# Altium PCB SDR_wt_PCBlib.PcbDoc (part 2 of 2)
Units mm, origin at the board's own origin, x right, y up, seen from the top; angles counter-clockwise.
Board outline 71.43 x 99.74 mm, 4 copper layers (Top Layer, L2, L3, Bottom Layer), stack 0.896 mm thick; 102 components, 69 nets, 338 pads, 430 vias.
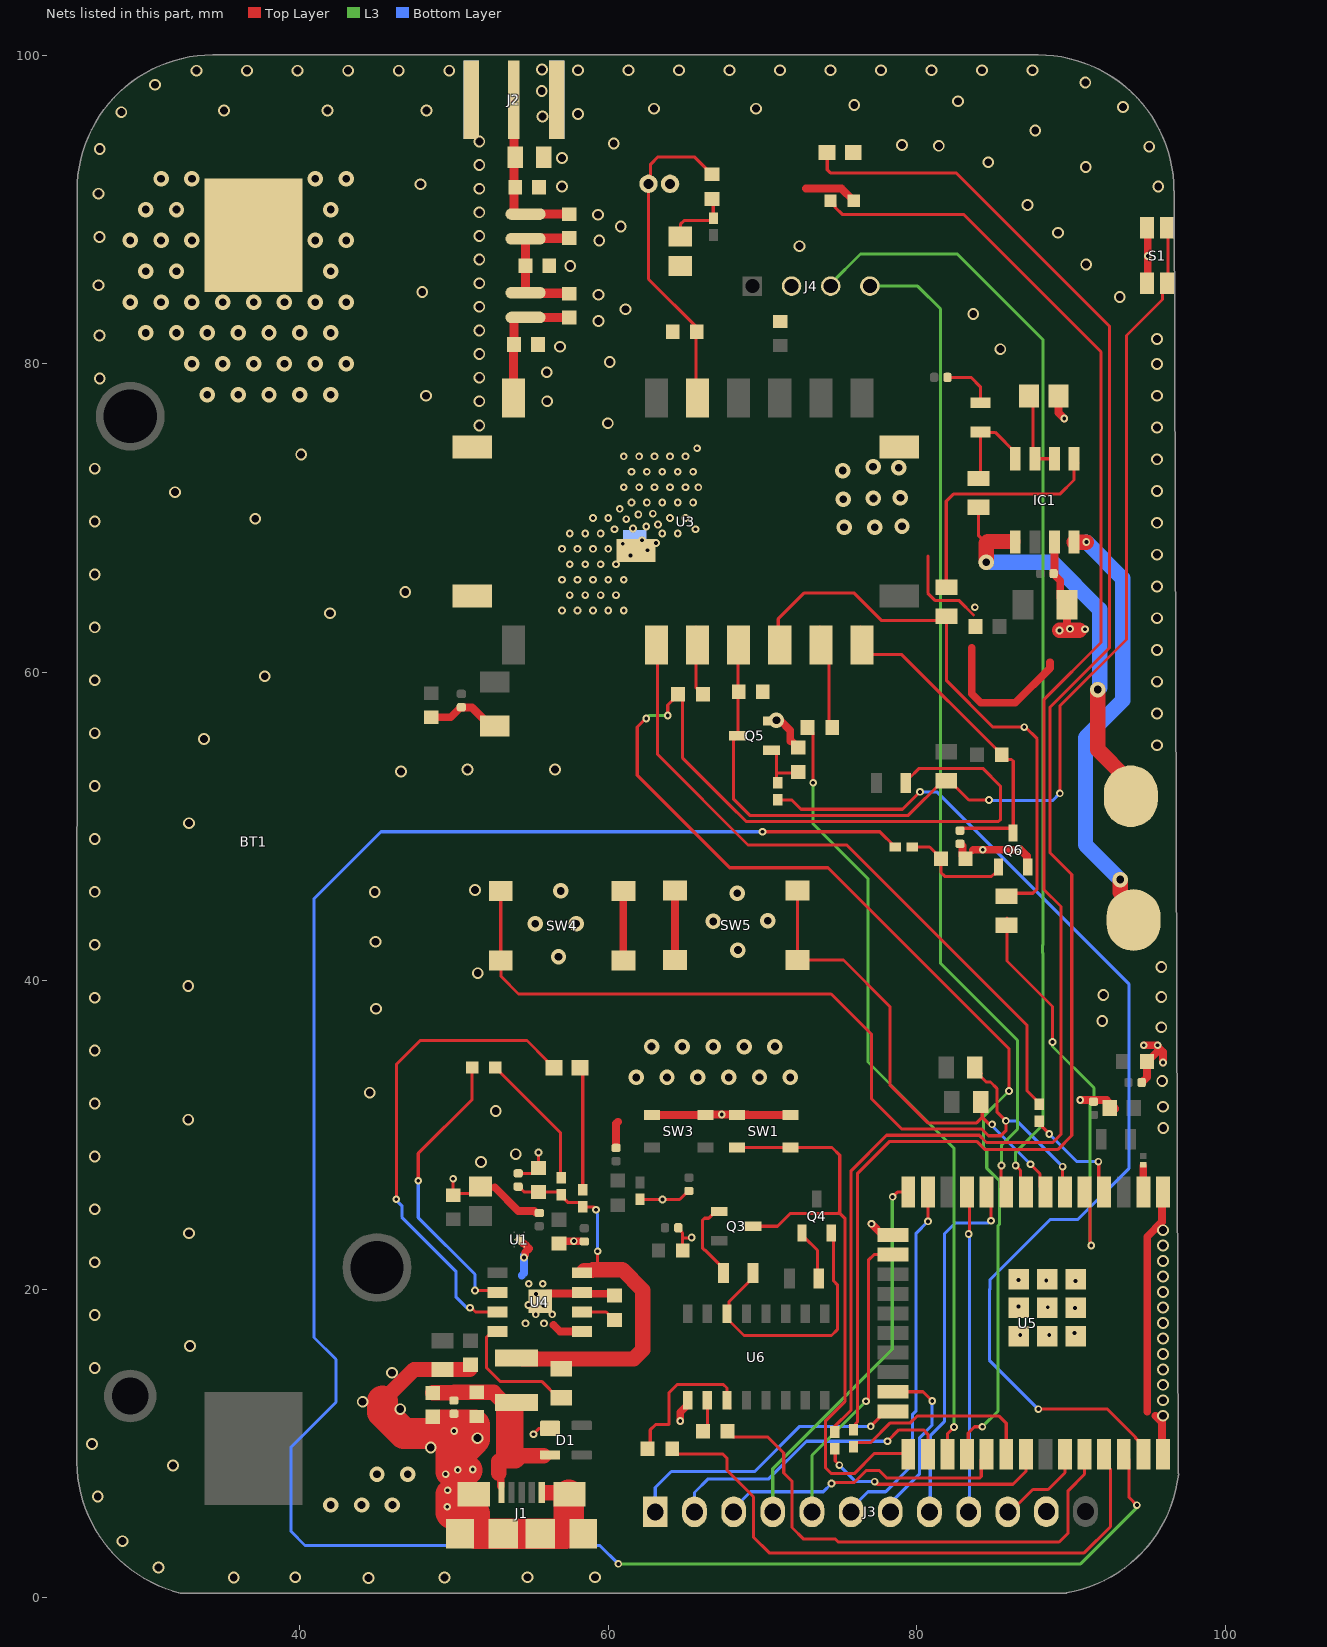
[diagram p4: the nets of this part, all layers, seen from the top]

## Via types
v1: diameter 0.762, hole 0.508, Top Layer to Bottom Layer, tented both sides, 175 vias
v2: diameter 0.5, hole 0.25, Top Layer to Bottom Layer, tented both sides, 171 vias
v3: diameter 1, hole 0.5, Top Layer to Bottom Layer, tented both sides, 84 vias

## Nets (pads, with @x,y where several pads share a name; then routed paths per layer and width w, separated by ;. In a path a pad name is that pad's centre, name@x,y a point inside that pad or via, vN(x,y) a via of type N, cw(c..) or ccw(c..) an arc to the next point about the centre after c; other vN are vias at no path point) (continued)
GND: BT1.NEG C1.2 C2.2 C3.1 C4.1 C6.2 C7.1 C8.1 C9.2 C10.2 C11.2 C12.2 C13.2 C14.2 C15.2 C16.2 C17.1 C18.1 C20.2 C21.2 C22.2 C23.2 C24.2 C25.2 C26.2 C27.1 C28.2 C29.1 C30.1 C32.1 C33.2 C34.1 C35.2 C36.2 C37.2 D1.1 D5.1 D6.1 IC1.7 J1.5 J1.SH1 J1.SH2 J1.SH3 J1.SH4 J1.SH5 J1.SH6 J2.S1 J2.S2 J2.S3 J2.S4 J3.11 J4.02 MIC1.2 Q5.2 Q6.2 R2.2 R15.1 R28.1 R30.1 R31.1 R34.1 S1.1 S1.2 SW1.P$3 SW1.P$4 SW3.P$3 SW3.P$4 SW4.1 SW4.3 SW5.1 SW5.3 U1.2 U1.5 U3.8 U3.9 U3.18 U3.19 U3.20 U4.1 U4.3 U4.9 U5.1 U5.15 U5.38 U5.39_1 U5.39_2 U5.39_3 U5.39_4 U5.39_5 U5.39_6 U5.39_7 U5.39_8 U5.39_9 U6.1 | length 157.1
  Top Layer w0.2: C1.2@48.616,11.722 48.725,11.831 C6.2@49.987,11.831 ; v2(49.94,27.154) 49.936,27.15 C13.2@49.936,26.078 50.056,26.198 C10.2@51.714,26.198 ; C6.2@49.987,11.914 C6.2@49.987,11.831 ; v2(50.002,10.794) 49.987,10.808 49.987,11.201 C6.2@49.987,11.831 ; C7.1@51.46,11.742 50.238,11.742 50.15,11.831 C6.2@49.987,11.831 ; C24.2@54.153,27.506 55.129,27.506 C25.2@55.474,27.851 v2(55.474,28.854) ; v2(55.143,10.592) 55.522,10.971 D1.1@56.227,10.971 ; R30.1@62.052,25.815 v2(63.518,25.815) 64.622,25.815 65.174,26.367 C30.1@65.227,26.367 ; C28.2@64.54,23.978 64.54,23.924 64.813,23.65 64.813,23.317 ; C27.1@64.813,22.504 64.813,23.317 ; v2(65.405,23.343) 65.38,23.317 64.813,23.317 ; 80.721,67.532 80.721,65.129 81.207,64.643 82.753,64.643 83.682,63.714
  Top Layer w0.5: C16.2@48.514,57.081 49.785,57.081 50.44,57.736 C15.2@50.47,57.736 50.49,57.716 51.159,57.716 52.359,56.516 C14.2@52.629,56.516 ; 52.629,26.594 54.157,25.066 55.202,25.066 55.306,24.961 55.504,24.961 C8.1@55.524,24.941 ; U1.5@54.229,23.216 54.469,22.976 54.519,22.976 54.656,22.838 ; v2@54.61,22.276 54.61,22.384 54.86,22.634 ; U4.9@55.583,19.205 56.091,19.712 58.226,19.712 U4.3@58.3,19.787 58.395,19.691 60.306,19.691 R15.1@60.401,19.596 ; 56.439,17.678 56.871,17.247 U4.1@58.3,17.247 ; C9.2@56.794,22.847 57.057,23.11 v2(57.764,23.11) 57.776,23.098 C17.1@58.169,23.098 ; C11.2@60.503,29.157 60.503,30.734 60.63,30.861 ; SW4.1@60.973,41.311 SW4.3@60.973,45.811 ; SW3.P$4@62.841,31.285 SW3.P$3@66.306,31.285 ; 64.3,43.561 64.325,43.586 ; SW5.3@64.325,41.336 64.325,43.586 ; SW5.1@64.325,45.836 64.325,43.586 ; v2(64.668,11.455) 64.668,12.013 65.151,12.496 U6.1@65.151,12.796 ; SW3.P$3@66.446,31.344 66.461,31.329 v2(67.351,31.329) 68.341,31.329 68.351,31.34 69.044,31.34 69.048,31.335 ; SW1.P$4@68.351,31.285 SW1.P$3@71.816,31.285 ; v3(70.899,56.881) 71.149,56.881 71.806,56.224 71.806,55.524 71.895,55.524 72.289,55.131 R28.1@72.314,55.131 ; 72.822,91.364 75.121,91.364 D6.1@75.909,90.576 ; v2(77.064,24.232) 77.79,23.505 U5.15@78.452,23.505 ; C35.2@82.804,48.871 82.834,48.871 82.972,48.733 82.972,48.104 R34.1@83.172,47.904 ; 83.566,61.595 83.566,58.598 84.15,58.014 86.385,58.014 88.646,60.274 88.646,60.655 ; 83.629,48.463 83.654,48.489 v2(84.277,48.489) 86.538,48.489 v2(86.589,48.539) 86.69,48.539 87.143,48.086 87.143,47.421 Q6.2@87.193,47.371 ; IC1.7@88.93,68.445 88.93,66.483 88.873,66.426 C3.1@88.873,66.396 88.873,66.366 89.302,65.937 89.302,64.824 C4.1@89.737,64.389 89.737,63.019 v2(89.941,62.814) ; C2.2@89.19,77.902 89.19,76.825 v2(89.56,76.454) ; 90.526,62.713 90.83,62.713 v2(90.907,62.789) ; v2(90.602,32.258) 92.316,32.258 92.86,31.714 C34.1@92.86,31.674 ; C20.2@94.588,33.371 C20.2@94.588,33.401 94.588,33.431 94.608,33.451 94.638,33.451 94.933,33.746 C21.2@94.933,34.747 95.622,35.436 v2@95.622,35.722 ; v2(94.717,35.814) 95.619,35.814 v2(95.622,35.811) v2@95.622,35.722 ; 94.945,12.057 94.945,23.393 95.902,24.35 U5.1@95.902,26.29 ; S1.2@94.981,85.195 v2(94.981,86.995) S1.1@94.981,88.795 ; 95.479,11.786 95.902,11.362 U5.38@95.902,9.29 ; v2(95.961,34.696) 95.961,35.382 v2@95.622,35.722 ; U5.1@95.962,26.29 U5.1@96.037,26.365
  Top Layer w1: 45.364,12.751 47.401,14.788 R31.1@49.251,14.788 C18.1@51.003,14.788 ; 56.018,6.801 J1.SH6@57.785,6.801 ; v2(89.256,62.713) 90.526,62.713
  Top Layer w2: 45.364,12.751 45.364,12.017 46.739,10.643 49.784,10.643 ; 49.784,6.69 49.784,5.512 49.835,5.461 ; 49.784,8.153 49.784,10.643 ; 50.571,8.255 50.851,8.255 ; 50.571,9.5 51.333,10.262 51.333,11.201 49.987,11.201 49.251,11.201 49.251,11.176 49.784,10.643 ; 51.331,5.461 51.331,4.269 51.46,4.14 J1.SH3@53.181,4.14 J1.SH4@55.581,4.14 57.201,4.14 57.431,4.371 J1.SH6@57.431,6.64
  Bottom Layer w0.5: 54.381,20.879 54.528,21.026 54.528,22.194 v2@54.61,22.276
  other v1: 44.45,1.27 35.712,1.295 49.378,1.295 39.7,1.321 54.762,1.321 59.131,1.321 30.836,1.956 28.499,3.658 26.899,6.553 31.775,8.56 48.489,9.728 26.518,9.957 51.511,10.338 95.961,11.786 46.507,12.217 44.069,12.7 95.961,12.789 95.961,13.792 45.974,14.58 95.961,14.795 26.695,14.884 95.961,15.799 32.868,16.307 95.961,16.802 95.961,17.805 26.695,18.315 95.961,18.809 95.961,19.812 95.961,20.815 26.695,21.745 95.961,21.819 95.961,22.822 32.817,23.622 95.961,23.825 26.695,25.176 51.74,28.245 26.695,28.606 54,28.753 95.987,30.455 32.766,30.988 52.705,31.547 95.961,31.826 26.695,32.037 44.526,32.741 95.91,33.503 26.695,35.467 95.86,36.982 92.024,37.389 44.933,38.176 26.695,38.898 95.86,38.938 92.1,39.065 32.766,39.649 51.537,40.488 95.86,40.894 26.695,42.328 44.907,42.52 44.856,45.745 26.695,45.759 51.359,45.872 26.695,49.189 32.817,50.216 26.695,52.62 46.558,53.569 50.876,53.696 56.54,53.696 95.58,55.27 33.782,55.677 26.695,56.05 95.58,57.33 95.58,59.389 26.695,59.481 37.719,59.741 95.58,61.448 26.695,62.911 95.58,63.508 41.961,63.83 46.838,65.202 95.58,65.567 26.695,66.342 95.58,67.627 95.58,69.686 26.695,69.772 37.109,69.952 31.902,71.679 95.58,71.745 26.695,73.203 95.58,73.805 40.081,74.117 95.58,75.864 51.638,75.997 59.969,76.149 51.638,77.572 56.032,77.572 48.184,77.927 95.58,77.923 27.026,79.045 51.638,79.103 56.007,79.451 95.58,79.983 60.096,80.112 51.638,80.634 85.42,80.95 56.871,81.102 95.58,81.61 27,81.839 51.638,82.165 59.36,82.779 83.668,83.236 61.112,83.541 51.638,83.697 93.167,84.328 59.36,84.48 47.93,84.658 26.949,85.09 51.638,85.228 57.531,86.335 90.983,86.436 51.638,86.759 72.39,87.63 59.411,88 27,88.214 51.638,88.29 89.154,88.494 60.808,88.9 59.334,89.662 51.638,89.822 87.173,90.297 26.949,91.034 51.638,91.353 56.998,91.491 95.656,91.491 47.828,91.643 90.957,92.761 51.638,92.884 84.633,93.066 57,93.345 27.026,93.929 95.072,94.082 81.432,94.132 79.045,94.183 60.35,94.285 51.638,94.415 87.681,95.123 55.728,96.037 58.039,96.19 28.423,96.317 35.077,96.418 41.783,96.418 48.209,96.418 62.967,96.545 69.571,96.545 93.37,96.647 75.946,96.774 82.677,97.028 55.683,97.688 30.607,98.095 90.932,98.247 33.299,99.009 36.576,99.009 39.853,99.009 43.129,99.009 46.406,99.009 49.682,99.009 58.039,99.035 61.313,99.035 64.587,99.035 67.86,99.035 71.134,99.035 74.408,99.035 77.682,99.035 80.955,99.035 84.229,99.035 87.503,99.035 55.702,99.085
  other v2: 49.555,5.893 49.581,6.96 49.454,8.001 50.241,8.28 51.206,8.306 86.712,17.028 88.595,17.018 90.239,17.15 54.635,17.78 55.829,17.78 55.296,18.364 56.363,18.364 90.272,18.771 88.494,18.821 86.589,18.872 55.804,18.948 54.813,18.974 55.321,19.685 54.839,20.345 55.753,20.345 90.297,20.523 88.392,20.549 86.589,20.599 54.534,22.047 57,64 58,64 59,64 60,64 61,64 83.769,64.211 57.5,65 58.5,65 59.5,65 60.5,65 57,66 58,66 59,66 60,66 61,66 57.5,67 58.5,67 59.5,67 60.5,67 61.442,67.568 62.537,67.908 57,68 58,68 59,68 60,68 60.934,68.33 63.093,68.38 62.178,68.558 57.5,69 58.5,69 59.5,69 63.5,69 64.5,69 60.4,69.269 65.658,69.269 61.594,69.32 62.458,69.447 63.22,69.574 61.162,69.93 59,70 60,70 64,70 65,70 61.95,70.235 62.89,70.285 60.741,70.593 61.5,71 62.5,71 63.5,71 64.5,71 65.5,71 65.836,71.987 61,72 62,72 63,72 64,72 65,72 61.5,73 62.5,73 63.5,73 64.5,73 65.5,73 61,74 62,74 63,74 64,74 65,74 65.76,74.527
  other v3: 42,6 44,6 46,6 45,8 47,8 61.803,33.725 63.803,33.725 65.803,33.725 67.803,33.725 69.803,33.725 71.803,33.725 62.803,35.725 64.803,35.725 66.803,35.725 68.803,35.725 70.803,35.725 56.769,41.554 68.402,41.986 55.27,43.688 57.912,43.688 66.802,43.84 70.333,43.891 68.351,45.669 56.921,45.822 75.286,69.393 77.267,69.393 79.045,69.469 75.235,71.222 77.191,71.272 78.943,71.323 75.209,73.076 78.842,73.254 77.165,73.33 34,78 36,78 38,78 40,78 42,78 33,80 35,80 37,80 39,80 41,80 43,80 30,82 32,82 34,82 36,82 38,82 40,82 42,82 29,84 31,84 33,84 35,84 37,84 39,84 41,84 43,84 30,86 32,86 42,86 29,88 31,88 33,88 41,88 43,88 30,90 32,90 42,90 31,92 33,92 41,92 43,92
IO0: Q3.3 SW1.P$1 SW1.P$2 U5.25 | length 39.9
  Top Layer w0.2: SW1.P$2@68.351,29.185 SW1.P$1@71.816,29.185 74.5,29.185 75.006,28.679 75.006,25.022 ; Q3.3@69.393,24.079 70.968,24.079 71.78,24.892 74.876,24.892 75.006,25.022 ; U5.25@79.452,9.29 79.395,9.347 77.26,9.347 75.948,8.035 74.474,8.035 74.076,8.433 74.076,11.44 75.336,12.7 75.336,13.538 75.336,24.597 75.006,24.928 75.006,25.022
IO25: J3.8 U5.10 | length 24.1
  Top Layer w0.2: U5.10@84.532,26.29 84.811,26.011 v2(84.811,24.435)
  Bottom Layer w0.2: J3.8@80.874,5.232 80.874,10.493 81.788,11.407 81.788,23.571 82.499,24.282 84.658,24.282 v2(84.811,24.435)
IO26: J3.9 U5.11 | length 21.2
  Top Layer w0.2: U5.11@83.262,26.29 83.414,26.138 83.414,23.622 v2(83.363,23.571)
  Bottom Layer w0.2: v2(83.363,23.571) 83.414,23.52 J3.9@83.414,5.232
NetC2_1: C2.1 IC1.2 IC1.3 | length 5.5
  Top Layer w0.2: C2.1@87.29,77.902 87.528,77.663 87.528,73.977 IC1.3@87.66,73.845 IC1.2@88.93,73.845
NetC5_1: C5.1 R3.2 | length 3.4
  Top Layer w0.2: C5.1@81.989,79.121 83.515,79.121 84.125,78.511 R3.2@84.125,77.48
NetC12_1: C12.1 C19.2 J2.1 L1.2 R2.1 | length 11.4
  Top Layer w0.2: C12.1@53.878,91.529 C12.1@53.967,91.44 ; J2.1@53.975,98.247 J2.1@53.98,98.242 ; C19.2@57.683,89.518 C19.2@57.717,89.484
  Top Layer w0.6: C12.1@53.878,91.529 J2.1@53.878,98.166 ; L1.2@53.887,89.777 C12.1@53.887,91.418 ; C12.1@53.967,91.44 C12.1@53.989,91.418 ; L1.2@53.989,89.777 L1.2@54.058,89.708 ; L1.2@54.635,89.708 54.642,89.714 C19.2@57.471,89.714
NetC19_1: C19.1 C29.2 C31.2 L1.1 L2.2 | length 9.4
  Top Layer w0.2: C29.2@54.432,86.385 54.441,86.377 C29.2@54.534,86.47 ; C19.1@57.683,87.978 C19.1@57.777,87.884
  Top Layer w0.6: C19.1@57.433,88.136 54.664,88.136 L1.1@54.635,88.108 L2.2@54.635,84.607 54.664,84.579 C31.2@57.436,84.579
NetC22_1: C22.1 MIC1.1 R11.1 U3.5 | length 20.2
  Top Layer w0.2: U3.5@65.684,78.943 65.684,81.958 65.895,82.169 65.895,82.199 62.608,85.486 MIC1.1@62.608,91.669 62.745,91.806 62.745,92.946 63.221,93.421 65.57,93.421 66.701,92.291 R11.1@66.726,92.291
NetC23_1: C23.1 R7.1 R11.2 | length 4.5
  Top Layer w0.2: C23.1@64.668,88.25 64.694,88.275 64.694,89.078 64.914,89.298 66.802,89.298 66.802,90.614 R11.2@66.726,90.691
NetC24_1: C24.1 C25.1 R5.2 R8.1 R12.2 R13.2 U4.4 | length 26.1
  Top Layer w0.2: C24.1@54.153,26.646 54.206,26.646 54.551,26.301 C25.1@55.474,26.301 56.765,26.301 R13.2@56.947,26.12 56.947,26.045 57.363,25.629 58.048,25.629 58.069,25.608 58.144,25.608 58.344,25.408 R12.2@58.344,25.333 59.021,25.333 v2(59.207,25.146) ; 58.955,21.207 59.008,21.26 59.309,21.561 v2(59.309,22.454)
  Top Layer w1: R5.2@54.451,15.497 55.344,15.497 55.373,15.469 61.644,15.469 62.23,16.054 62.23,19.939 60.909,21.26 59.008,21.26 ; U4.4@58.45,21.207 58.955,21.207
  Bottom Layer w0.2: v2(59.207,25.146) 59.265,25.089 59.265,24.923 59.309,24.879 v2(59.309,22.454)
NetC31_1: C31.1 C33.1 L2.1 U3.7 | length 8.6
  Top Layer w0.2: C33.1@53.848,81.217 C33.1@53.886,81.255 ; L2.1@53.886,82.753 54.14,83.007 L2.1@54.635,83.007 ; C31.1@57.142,83.007 C31.1@57.328,82.821
  Top Layer w0.6: U3.7@53.848,77.775 C33.1@53.848,81.217 ; C33.1@53.886,81.255 L2.1@53.886,82.753 ; L2.1@54.635,83.007 C31.1@57.142,83.007
NetD3_1: D3.1 U4.7 | length 31.4
  Top Layer w0.2: v2(46.253,25.832) 46.253,34.569 47.803,36.119 54.725,36.119 56.028,34.816 56.028,34.766 56.428,34.366 D3.1@56.478,34.366 ; v2(51.029,18.796) 51.11,18.796 51.389,18.517 U4.7@52.8,18.517
  Bottom Layer w0.2: v2(46.253,25.832) 46.253,25.765 46.609,25.41 46.609,24.663 50.114,21.158 50.114,19.507 50.825,18.796 v2(51.029,18.796)
NetD3_2: D3.2 R12.1 | length 8
  Top Layer w0.2: D3.2@58.178,34.366 58.344,34.2 R12.1@58.344,26.433
NetD4_1: D4.1 U4.6 | length 18.9
  Top Layer w0.2: v2(47.676,27.026) 47.676,28.804 51.168,32.295 D4.1@51.168,34.366 ; v2(51.359,19.914) 52.673,19.914 U4.6@52.8,19.787
  Bottom Layer w0.2: v2(47.676,27.026) 47.676,24.638 51.359,20.955 v2(51.359,19.914)
NetD4_2: D4.2 R13.1 | length 8.9
  Top Layer w0.2: D4.2@52.668,34.366 56.896,30.138 56.896,27.271 R13.1@56.947,27.22
NetD5_2: D5.2 R17.2 | length 110.3
  Top Layer w0.2: D5.2@74.182,93.701 74.193,93.689 74.193,92.583 74.397,92.38 82.55,92.38 92.507,82.423 92.507,61.602 88.64,57.735 88.64,48.292 90.052,46.88 90.052,29.958 89.136,29.042 84.422,29.042 83.886,29.578 78.245,29.578 76.149,27.483 76.149,11.379 76.041,11.271 ; R17.2@75.671,11.087 75.678,11.093 R17.2@76.092,11.093
NetD6_2: D6.2 R19.2 | length 106.5
  Top Layer w0.2: D6.2@74.409,90.576 74.709,90.276 74.709,90.137 75.159,89.687 83.033,89.687 91.948,80.772 91.948,61.925 88.24,58.217 88.24,45.917 89.348,44.809 89.348,30.033 88.823,29.508 84.522,29.508 84.052,29.978 78.035,29.978 75.743,27.686 75.743,12.158 R19.2@74.625,11.04
NetIC1_1: IC1.1 R1.2 | length 16.2
  Top Layer w0.2: R1.2@81.915,65.502 81.915,71.095 82.372,71.552 89.281,71.552 90.2,72.471 IC1.1@90.2,73.808 ; IC1.1@90.2,73.845 IC1.1@90.2,73.808 ; IC1.1@90.45,73.558 IC1.1@90.2,73.808
NetIC1_4: IC1.4 R3.1 R4.1 | length 6.4
  Top Layer w0.2: R4.1@83.823,72.542 84.125,72.844 R3.1@84.125,75.554 ; R3.1@84.125,75.58 R3.1@84.125,75.554 ; IC1.4@86.39,73.845 86.39,74.245 85.082,75.554 R3.1@84.125,75.554
NetIC1_5: IC1.5 P2.1 R4.2 | length 27.1
  Top Layer w0.2: R4.2@83.998,70.693 83.998,68.876 84.506,68.368 ; IC1.5@86.157,68.678 IC1.5@86.39,68.445
  Top Layer w1: v3(84.506,67.132) 84.506,68.368 84.616,68.478 IC1.5@86.24,68.478 ; v3(91.745,58.877) 91.745,54.973 93.571,53.147 P2.1@93.571,52.264
  Bottom Layer w1: v3(84.506,67.132) 88.798,67.132 91.857,64.074 91.857,58.989 v3(91.745,58.877)
NetIC1_8: IC1.8 P1.1 | length 28.6
  Top Layer w1: IC1.8@90.2,68.445 90.206,68.439 v2@90.996,68.439 ; v3(93.193,46.558) 93.193,45.719 94.056,44.856 P1.1@94.056,43.929
  Bottom Layer w1: v2(90.999,68.439) 93.345,66.093 93.345,58.166 90.942,55.763 90.942,48.809 v3(93.193,46.558)
NetJ3_1: J3.1 U5.24 | length 19.2
  Top Layer w0.2: v2(77.02,11.1) 77.96,12.04 78.188,11.811 U5.24@78.452,12.075
  Bottom Layer w0.2: J3.1@63.043,5.563 63.043,7.137 64.084,8.179 69.494,8.179 72.415,11.1 v2(77.02,11.1)
NetJ3_2: J3.2 U5.26 | length 19.5
  Top Layer w0.2: v2(78.105,10.135) 78.842,10.871 80.441,10.871 80.722,10.59 U5.26@80.722,9.29
  Bottom Layer w0.2: J3.2@65.583,5.563 65.583,6.807 66.472,7.696 70.409,7.696 72.847,10.135 v2(78.105,10.135)
NetJ3_3: J3.3 U5.29 | length 19.2
  Top Layer w0.2: v2(74.473,7.391) 74.53,7.449 75.927,7.449 76.708,8.23 77.587,8.23 78.07,7.747 84.065,7.747 84.182,7.864 84.182,8.94 U5.29@84.532,9.29
  Bottom Layer w0.2: J3.3@68.174,5.432 68.174,5.813 69.223,6.863 73.944,6.863 v2(74.473,7.391)
NetJ3_4: J3.4 U5.14 | length 24.8
  Top Layer w0.2: v2(78.435,25.984) 78.741,26.29 U5.14@79.452,26.29
  L3 w0.2: J3.4@70.663,5.563 70.663,8.357 78.41,16.104 78.41,25.959 v2(78.435,25.984)
NetJ3_5: J3.5 U5.16 | length 19.6
  Top Layer w0.2: v2@76.86,12.675 76.86,21.869 77.226,22.235 U5.16@78.452,22.235
  L3 w0.2: J3.5@73.203,5.563 73.203,9.22 v2(76.708,12.725)
NetJ3_6: J3.6 U5.13 | length 23.5
  Top Layer w0.2: U5.13@80.722,26.29 80.729,26.283 v2(80.729,24.392)
  Bottom Layer w0.2: J3.6@75.743,5.563 75.743,5.763 76.843,6.863 77.983,6.863 79.527,8.407 79.527,10.109 79.731,10.312 79.731,11.887 79.959,12.116 79.959,23.622 v2(80.729,24.392)
NetJ3_7: J3.7 U5.23 | length 11.1
  Top Layer w0.2: U5.23@78.452,13.345 80.407,13.345 v2(81.001,12.751)
  Bottom Layer w0.2: J3.7@78.283,5.563 78.283,6.115 80.188,8.02 80.188,10.373 81.001,11.186 v2(81.001,12.751)
NetJ3_10: J3.10 U5.33 | length 6.2
  Top Layer w0.2: J3.10@85.954,5.232 85.954,5.432 87.532,7.01 88.519,7.01 89.612,8.103 U5.33@89.612,9.29
NetL3_1: L3.1 U5.2 | length 1.7
  Top Layer w0.5: L3.1@94.69,27.991 94.692,27.988 U5.2@94.692,26.29
NetQ3_1: Q3.1 R23.1 | length 5.4
  Top Layer w0.2: Q3.1@67.193,25.029 66.943,25.029 66.508,24.595 66.239,24.595 66.097,24.454 66.116,24.435 66.116,22.647 66.233,22.53 66.279,22.53 67.478,21.331 R23.1@67.478,21.031
NetQ4_1: Q4.1 R24.2 | length 3.3
  Top Layer w0.2: Q4.1@72.71,23.614 72.71,23.364 73.558,22.516 73.558,20.762 R24.2@73.645,20.676
NetQ5_1: Q5.1 R28.2 R33.1 | length 3.3
  Top Layer w0.2: R33.1@70.899,53.149 70.899,53.467 ; Q5.1@70.899,54.981 70.899,53.467 ; R28.2@72.314,53.53 72.25,53.467 70.899,53.467
NetQ6_1: Q6.1 R29.2 R34.2 | length 7.3
  Top Layer w0.2: R29.2@79.696,48.666 80.835,48.666 81.572,47.929 R34.2@81.572,47.904 81.572,47.003 81.813,46.761 84.848,46.761 85.008,46.921 85.093,46.921 85.293,47.121 Q6.1@85.293,47.371
NetR6_2: R6.2 U3.12 | length 4
  Top Layer w0.2: U3.12@65.684,62.941 65.684,58.991 R6.2@65.735,58.941
NetR8_2: R8.2 U4.8 | length 8.5
  Top Layer w0.2: U4.8@52.8,17.247 52.55,16.997 52.213,16.997 52.095,16.879 52.095,14.904 52.978,14.021 55.675,14.021 56.737,12.959 R8.2@56.947,12.959
NetR9_2: R9.2 U3.15 | length 6.9
  Top Layer w0.2: U3.15@73.685,62.941 74.32,62.306 74.32,56.616 R9.2@74.524,56.413
NetR15_2: R15.2 U4.2 | length 2.6
  Top Layer w0.2: U4.2@58,18.517 U4.2@58.3,18.517 59.855,18.517 60.376,17.996 R15.2@60.401,17.996
NetR16_2: R16.2 U5.4 | length 7.2
  Top Layer w0.2: R16.2@87.935,30.895 87.85,30.81 88.595,30.065 v2(88.595,30.058) ; v2(91.775,28.265) 91.802,28.238 91.802,26.64 U5.4@92.152,26.29
  Bottom Layer w0.2: v2(88.595,30.058) 90.388,28.265 v2(91.775,28.265)
NetR17_1: R17.1 U5.30 | length 12.9
  Top Layer w0.2: R17.1@75.844,9.966 75.936,10.057 77.021,10.057 78.289,11.325 79.576,11.325 80.012,11.76 85.344,11.76 85.802,11.302 U5.30@85.802,9.29
NetR19_1: R19.1 U5.31 | length 15.2
  Top Layer w0.2: R19.1@74.676,9.635 74.714,9.597 74.714,8.852 v2(74.981,8.585) ; v2(77.267,7.518) 77.438,7.347 86.239,7.347 87.072,8.18 U5.31@87.072,9.29
  Bottom Layer w0.2: v2(74.981,8.585) 76.048,7.518 v2(77.267,7.518)
NetR20_1: R20.1 U6.2 | length 2.1
  Top Layer w0.2: R20.1@66.129,10.795 66.421,11.087 U6.2@66.421,12.796
NetR22_1: R22.1 U6.3 | length 10.6
  Top Layer w0.2: R22.1@62.37,9.322 62.72,9.672 62.72,10.878 63.055,11.214 63.932,11.214 63.932,13.284 64.465,13.818 67.462,13.818 67.691,13.589 U6.3@67.691,12.796 67.691,12.496 U6.3@67.891,12.296
NetR25_1: R25.1 SW4.2 SW4.4 U5.6 | length 57.1
  Top Layer w0.2: SW4.2@53.023,41.311 SW4.4@53.023,45.811 ; SW4.2@53.048,41.133 53.048,40.272 54.178,39.141 74.447,39.141 77.064,36.525 77.064,32.334 79.019,30.378 84.217,30.378 84.649,29.947 85.455,29.947 85.776,30.267 v2(85.776,30.912) 85.192,31.496 85.192,33.02 84.785,33.426 84.499,33.426 83.769,34.156 R25.1@83.769,34.366 ; R25.1@83.82,34.341 R25.1@84.186,33.975 ; v2(89.459,27.94) 89.459,26.443 U5.6@89.612,26.29
  Bottom Layer w0.2: v2@85.827,30.912 86.487,30.912 v2(89.459,27.94)
NetR26_1: R26.1 SW5.2 SW5.4 U5.7 | length 31.6
  Top Layer w0.2: SW5.2@72.276,45.836 SW5.4@72.276,41.336 75.25,41.336 78.257,38.329 78.257,33.249 80.721,30.785 83.887,30.785 84.247,31.145 ; R26.1@84.247,32.131 84.247,31.145 ; v2(84.887,30.683) 84.709,30.683 84.247,31.145 ; v2(87.376,28.092) 87.992,27.476 87.992,26.64 U5.7@88.342,26.29
  Bottom Layer w0.2: v2(84.887,30.683) 84.887,30.582 v2(87.376,28.092)
NetR27_2: R27.2 U5.5 | length 27.3
  Top Layer w0.2: R27.2@85.852,44.059 85.852,41.275 88.798,38.329 v2(88.798,36.017) ; U5.5@90.882,26.29 91.232,25.94 91.232,25.277 91.237,25.273 91.237,23.102 91.256,23.083 91.256,22.892 v2(91.313,22.835)
  L3 w0.2: v2(88.798,36.017) 88.798,35.738 91.489,33.047 91.489,32.429 91.225,32.165 91.225,22.923 v2(91.313,22.835)
NetR29_1: R29.1 U5.36 | length 144
  Top Layer w0.2: v2(70.002,49.657) 77.606,49.657 R29.1@78.596,48.666 ; U5.36@93.422,9.29 93.772,8.94 93.772,6.493 v2(94.272,5.993)
  L3 w0.2: v2(60.649,2.183) 90.626,2.183 94.436,5.993 v2(94.272,5.993)
  Bottom Layer w0.2: v2(60.649,2.183) 59.454,3.378 40.335,3.378 39.421,4.293 39.421,9.754 42.342,12.675 42.342,15.443 40.919,16.866 40.919,45.314 45.263,49.657 v2(70.002,49.657)
NetR33_2: R33.2 U5.37 | length 70.7
  Top Layer w0.2: R33.2@70.993,51.723 71.883,51.723 72.248,51.359 72.489,51.118 79.081,51.118 v2(80.206,52.242) ; v2(87.884,12.217) 92.369,12.217 94.172,10.414 94.172,10.36 94.692,9.84 U5.37@94.692,9.29
  Bottom Layer w0.2: v2(80.206,52.242) 81.301,52.242 93.751,39.792 93.751,27.813 90.449,24.511 88.646,24.511 84.76,20.625 84.76,20.015 84.709,19.964 84.709,15.392 v2(87.884,12.217)
PTT: C36.1 Q5.3 R32.2 S1.3 S1.4 U3.13 | length 73.8
  Top Layer w0.2: U3.13@68.402,62.687 68.402,58.725 68.402,55.88 68.398,55.88 68.249,55.731 68.249,55.727 68.123,55.601 68.123,51.765 69.17,50.718 79.459,50.718 81.705,52.964 82.125,52.964 83.374,51.714 v2(84.684,51.714) ; v2(89.281,52.146) 89.281,57.81 93.599,62.128 93.599,81.839 95.931,84.171 95.931,84.845 96.281,85.195 S1.3@96.281,88.795
  Bottom Layer w0.2: v2@84.684,51.689 88.824,51.689 v2(89.281,52.146)
RTS: Q4.2 R23.2 U6.14 | length 17.8
  Top Layer w0.2: R23.2@69.378,21.031 69.378,20.731 67.825,19.178 67.825,18.529 U6.14@67.691,18.396 67.691,18.096 68.794,16.993 74.473,16.993 74.854,17.374 74.854,20.287 74.61,20.531 Q4.2@74.61,23.614
RXD: R20.2 U5.34 | length 33.9
  Top Layer w0.2: R20.2@67.729,10.795 67.729,10.77 68.079,10.42 70.327,10.42 71.374,9.373 71.374,8.077 71.907,7.544 71.907,4.547 72.669,3.785 74.727,3.785 74.905,3.607 89.23,3.607 89.814,4.191 89.814,6.934 90.882,8.002 U5.34@90.882,9.29 U5.34@90.882,9.84
RXD_R: R9.1 U5.27 | length 51.2
  Top Layer w0.2: R9.1@72.923,56.413 73.279,56.057 v2(73.279,52.832) ; U5.27@81.992,9.29 81.992,10.628 v2(82.418,11.054)
  L3 w0.2: v2(73.279,52.832) 73.279,50.165 76.835,46.609 76.835,34.722 82.418,29.139 v2(82.418,11.054)
SCL: J4.03 U5.8 | length 73.3
  Top Layer w0.2: v2(86.411,28.016) 86.722,27.705 86.722,26.64 U5.8@87.072,26.29
  L3 w0.2: J4.03@74.422,85.039 74.422,85.192 76.352,87.122 82.626,87.122 88.189,81.559 88.189,42.332 88.147,42.29 88.147,41.835 88.189,41.793 88.189,30.658 86.411,28.88 v2(86.411,28.016)
SDA: J4.04 U5.9 | length 65.1
  Top Layer w0.2: v2(85.496,28.016) 85.452,27.972 85.452,26.64 U5.9@85.802,26.29
  L3 w0.2: J4.04@76.962,85.039 80.061,85.039 81.534,83.566 81.534,41.123 86.529,36.128 86.529,30.37 85.496,29.337 v2(85.496,28.016)
ShutDn: C35.1 Q6.3 R21.2 U3.16 | length 21.2
  Top Layer w0.2: U3.16@76.352,62.421 U3.16@76.352,62.941 ; U3.16@76.454,61.773 77.089,61.138 79.032,61.138 85.134,55.036 85.159,55.036 85.245,54.95 85.245,54.925 85.826,54.344 86.141,54.344 86.258,54.227 Q6.3@86.258,50.097 ; C35.1@82.802,49.886 86.043,49.886 86.243,49.686 Q6.3@86.243,49.571
Squelch: R1.1 R27.1 U3.14 | length 36.5
  Top Layer w0.2: U3.14@71.018,62.941 71.018,63.461 72.708,65.151 75.921,65.151 77.729,63.343 81.651,63.343 R1.1@81.94,63.632 81.94,59.446 84.947,56.439 87.051,56.439 87.808,55.682 87.808,45.949 87.528,45.669 86.035,45.669 R27.1@85.827,45.461
  other v2: 86.97,56.439
TXD: R22.2 U5.35 | length 38.8
  Top Layer w0.2: R22.2@63.97,9.322 67.399,9.322 67.704,9.017 67.704,8.242 69.418,6.528 69.418,3.912 70.434,2.896 90.856,2.896 92.558,4.597 92.558,8.334 92.152,8.74 U5.35@92.152,9.29
TXD_R: R6.1 R10.2 U5.28 | length 103
  Top Layer w0.2: v2(62.459,56.998) 62.42,56.998 61.874,56.451 61.874,53.315 67.869,47.32 74.244,47.32 85.979,35.585 v2(85.979,32.842) ; v2(63.856,57.201) 63.856,57.874 R6.1@64.37,58.388 ; R6.1@64.529,58.572 64.529,58.547 R6.1@64.37,58.388 ; R10.2@79.461,52.781 79.461,53.081 80.152,53.772 84.277,53.772 85.42,52.629 85.42,50.435 85.303,50.318 68.935,50.318 67.78,51.473 64.821,54.432 64.821,58.197 64.63,58.388 R6.1@64.37,58.388 ; U5.28@83.262,9.29 83.337,9.365 83.337,10.668 83.744,11.074 v2(84.252,11.074)
  L3 w0.2: v2(62.459,56.998) 62.662,57.201 v2(63.856,57.201) ; v2(84.252,11.074) 85.268,12.09 85.268,24.114 85.361,24.207 85.361,27.027 84.54,27.848 84.54,28.985 84.337,29.188 84.337,31.2 v2(85.979,32.842)
USB: C1.1 C6.1 C7.2 D1.2 J1.1 R5.1 | length 15.5
  Top Layer w0.5: J1.1@53.031,7.24 53.031,7.696 ; D1.2@55.821,9.2 55.827,9.206 56.182,9.206 D1.2@56.227,9.251
  Top Layer w1: C1.1@48.616,13.272 49.847,13.272 49.911,13.208 50.005,13.302 C7.2@51.46,13.302 52.565,13.302 53.151,12.716 53.151,12.697 R5.1@53.746,12.697 ; 52.908,8.052 52.908,8.831 53.277,9.2 ; 53.233,9.435 53.233,11.978 ; 53.453,8.87 54.006,8.87 54.336,9.2 D1.2@55.821,9.2 ; R5.1@53.746,12.418 53.796,12.368 R5.1@53.95,12.368 ; 54.006,9.688 R5.1@54.006,12.232
VOX: R16.1 U3.11 | length 43.8
  Top Layer w0.2: U3.11@63.119,61.773 63.195,61.697 63.195,54.661 69.063,48.793 75.463,48.793 87.147,37.109 87.147,32.858 87.935,32.07 R16.1@87.935,31.995
pads on no net: BT1.P$1 BT1.P$2 BT1.P$3 J1.4 U3.1 U3.2 U3.3 U3.6 U3.17 U5.17 U5.18 U5.19 U5.20 U5.21 U5.22 U5.32 U6.4 U6.7 U6.8 U6.9 U6.10 U6.11 U6.12 U6.15

## Polygon pours and split planes (outlines as drawn)
GND on L3 "GND_L03_P002" (solid, pour order 2): 26.238,96.418 30.201,100.381 92.481,100.381 96.622,96.241 96.622,4.47 92.151,0 30.658,0 25.39,5.268
GND on L2 "GND_L02_P004" (solid, pour order 4): 25.831,95.401 30.81,100.381 92.177,100.381 96.901,95.656 96.901,4.597 92.304,0 30.201,0 25.244,4.957
GND on Bottom Layer "GND_L04_P003" (solid, pour order 3): 93.599,100.381 96.495,97.485 96.495,5.035 95.643,2.803 91.084,0 29.693,0 25.425,4.267 25.425,96.037 29.769,100.381
GND on Top Layer "GND_L01_P001" (solid, remove dead copper, pour order 1): 29.669,0.302 25.737,4.235 26.459,95.902 30.586,100.029 91.156,100.029 96.677,93.968 96.677,55.067 96.686,4.435 92.069,0.302

## Other copper
Top Layer:
  pour cut-out: 52.095,100 52.095,76.352 52.603,75.844 54.991,75.844 55.169,76.022 55.169,81.864 55.423,82.118 58.242,82.118 58.5,82.376 58.5,85.137 58.268,85.369 56.007,85.369 55.728,85.649 55.728,87.071 55.931,87.274 58.271,87.274 58.5,87.503 58.5,90.344 58.217,90.627 55.321,90.627 55.067,90.881 55.067,100

## Silkscreen, mask and mechanical layers (free items; w line width, h text height)
Top Overlay:
  lines w0.076: 48.717,30.124 48.743,30.099 ; 68.301,94.971 68.301,88.748 78.41,88.748 78.435,88.773 78.435,94.996 78.41,95.021 68.301,95.021 ; 68.334,92.105 78.443,92.105 ; 53.315,92.532 53.315,94.234 56.49,94.234 56.464,94.209 56.464,92.532 53.315,92.532
  lines w0.2: 48.717,30.124 48.717,35.738 60.503,35.738 60.503,30.099 48.743,30.099 ; 54.579,30.123 54.579,35.736
  lines w0.22: 53.244,80.557 56.089,80.557 56.089,81.903 53.244,81.903 53.244,80.557 ; 54.02,85.674 54.02,87.02 56.865,87.02 56.865,85.674 54.02,85.674 ; 56.808,87.523 58.154,87.523 58.154,90.368 56.808,90.368 56.808,87.523 ; 56.82,82.296 56.82,85.141 58.166,85.141 58.166,82.296 56.82,82.296
  text "Do not power" at 32.639,94.132 h1.3
  text "ON without Ant" at 31.725,92.685 h1.3
  text "Tx" at 69.237,92.504 h2
  text "Rx" at 69.466,89.659 h2
  text "PTT" at 91.521,83.18 h3 r90
  text "---" at 33.879,73.853 h2.5
  text "+vol/ch+" at 64.487,47.317 h1
  text "-vol/ch-" at 53.083,47.241 h1
  text "+ Spkr -" at 91.224,42.058 h1.5 r90
  text "Done" at 49.349,36.7 h1.2
  text "chrg" at 55.623,36.515 h1.2
  text "Rst" at 69.415,32.28 h0.8
  text "En" at 63.929,32.229 h0.8
  text "+++" at 34.742,15.835 h2.5
  text "ESP32 GPIO" at 61.541,7.414 h1
  text "26" at 82.953,3.94 h0.8 r270
  text "25" at 80.362,3.915 h0.8 r270
  text "13" at 72.692,3.864 h0.8 r270
  text "12" at 70.202,3.839 h0.8 r270
  text "15" at 77.848,3.813 h0.8 r270
  text "14" at 75.231,3.713 h0.8 r270
  text "21" at 85.417,3.686 h0.8 r270
  text "5" at 67.612,3.508 h1 r270
  text "2" at 62.684,3.483 h1 r270
  text "GND" at 87.144,3.121 h0.8
  text "3v3" at 90.116,3.121 h0.8
  text "+++" at 33.726,2.627 h2.5
Bottom Overlay:
  text "SOCORAD32" at 70.615,50.009 h3
  text "ESP32 SOftware COntrolled RADio" at 78.972,47.139 h1.5
Bottom Solder:
  drawing of 17 lines, arcs and shapes, not listed
Board Outline:
  lines w0.076: 25.541,8.763 25.548,91.222 cw(c34.357,91.221) 34.357,100.03 87.868,100.03 ; 25.542,8.763 ccw(c34.35,8.847) 32.259,0.29 89.712,0.29 ; 87.87,100.029 cw(c87.868,91.221) 96.677,91.221 ; 89.71,0.302 ccw(c88.221,8.985) 96.976,8.014 ; 96.686,91.221 96.951,8.014

## Text inside footprints (layer, text, board x,y; h text height)
J2: Mechanical 29 "PCB Edge" at 48.872,100.643 h0.81 r180
J3: Top Overlay "4" at 65.021,3.61 h1.2 r270
MIC1: Top Overlay "+" at 61.557,89.487 h0.8 r270
U5: Mechanical 29 "ANTENNA" at 99.702,23.79 h1.78 r270